# Altium PCB 11BRANMB10H2_20170927.pcbdoc (part 8 of 11)
Units mm, origin at the board's own origin, x right, y up, seen from the top; angles counter-clockwise.
Board outline 91.65 x 48.25 mm, 6 copper layers (TOP, GND1, Singal, POWER, GND2, BOTTOM), stack 0.8 mm thick; 370 components, 289 nets, 1421 pads, 980 vias.
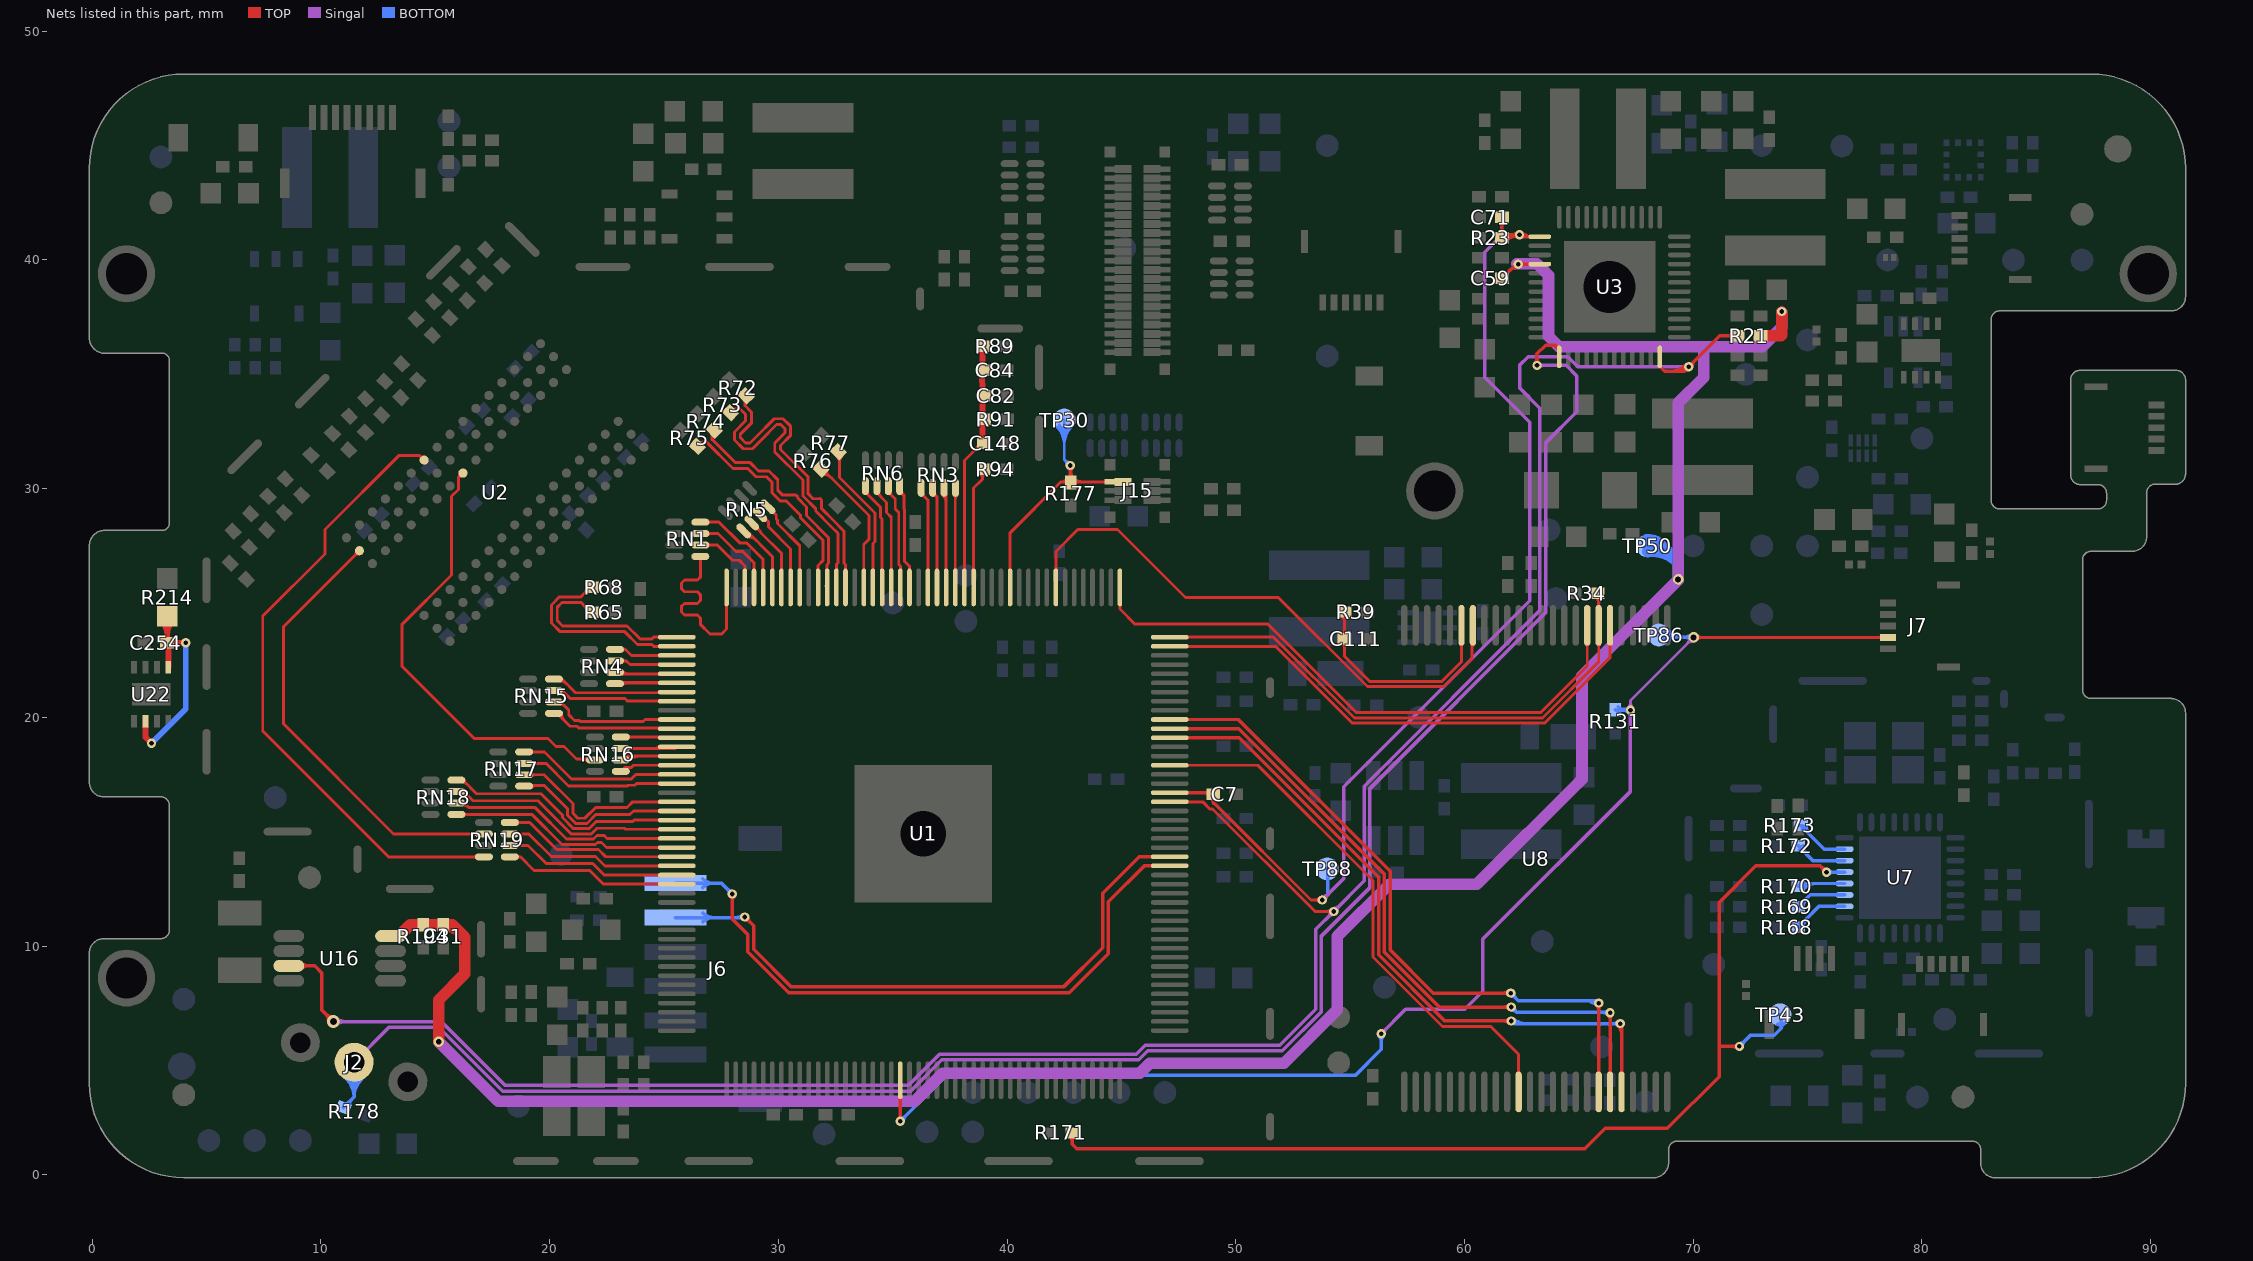
[diagram p12: the nets of this part, all layers, seen from the top]

## Via types
v1: diameter 0.406, hole 0.203, TOP to BOTTOM, tented both sides, 450 vias
v2: diameter 0.457, hole 0.254, TOP to BOTTOM, tented both sides, 256 vias
v3: diameter 0.559, hole 0.305, TOP to BOTTOM, tented both sides, 184 vias
v4: diameter 0.762, hole 0.457, TOP to BOTTOM, tented both sides, 69 vias
v5: diameter 0.61, hole 0.33, TOP to BOTTOM, tented both sides, 11 vias
v6: diameter 0.5, hole 0.2, TOP to BOTTOM, 9 vias
v7: diameter 0.508, hole 0.254, TOP to BOTTOM, tented both sides, 1 vias

## Nets (pads, with @x,y where several pads share a name; then routed paths per layer and width w, separated by ;. In a path a pad name is that pad's centre, name@x,y a point inside that pad or via, vN(x,y) a via of type N, cw(c..) or ccw(c..) an arc to the next point about the centre after c; other vN are vias at no path point) (continued)
ND5: U1.167 U8.42 | length 34.9
  TOP w0.152: U1.167@47.11,19.908 50.114,19.908 56.754,13.267 56.754,9.831 58.64,7.946 v1(62.025,7.946) ; U8.42@65.867,3.624 v1(65.867,7.508) ; 61.718,7.946 ccw(c61.718,8.253) 61.935,8.036 cw(c61.718,8.253) 61.718,7.946 ; 61.718,7.946 cw(c61.718,7.639) 61.935,7.856 ccw(c61.718,7.639) 61.718,7.946 ; 65.867,4.523 ccw(c66.015,4.523) 65.91,4.419 cw(c66.015,4.523) 65.867,4.523 ; 65.867,4.523 cw(c65.719,4.523) 65.824,4.419 ccw(c65.719,4.523) 65.867,4.523 ; 65.867,7.201 ccw(c65.56,7.201) 65.777,7.418 cw(c65.56,7.201) 65.867,7.201 ; 65.867,7.201 cw(c66.174,7.201) 65.957,7.418 ccw(c66.174,7.201) 65.867,7.201
  BOTTOM w0.152: v1(62.025,7.946) 62.359,7.612 65.763,7.612 v1(65.867,7.508) ; 65.542,7.554 ccw(c65.634,7.713) v1@65.772,7.592 ; 62.242,7.729 ccw(c62.025,7.512) 62.025,7.819 cw(c62.025,7.512) 62.242,7.729 ; 62.242,7.729 cw(c62.459,7.946) 62.152,7.946 ccw(c62.459,7.946) 62.242,7.729 ; 65.309,7.612 cw(c65.309,6.95) 65.777,7.418 ccw(c65.309,6.95) 65.309,7.612 ; 65.677,7.612 cw(c65.677,7.318) 65.885,7.526 ccw(c65.677,7.318) 65.677,7.612
ND6: U1.166 U8.43 | length 34.2
  TOP w0.152: U1.166@47.11,19.508 50.133,19.508 56.5,13.14 56.5,9.726 58.89,7.336 v1(62.05,7.336) ; U8.43@66.367,3.624 66.367,7.05 66.352,7.066 66.336,7.081 v1(66.367,7.081) ; 61.744,7.336 ccw(c61.744,7.643) 61.961,7.426 cw(c61.744,7.643) 61.744,7.336 ; 61.744,7.336 cw(c61.744,7.03) 61.961,7.247 ccw(c61.744,7.03) 61.744,7.336 ; 66.367,4.523 ccw(c66.515,4.523) 66.41,4.419 cw(c66.515,4.523) 66.367,4.523 ; 66.367,4.523 cw(c66.219,4.523) 66.324,4.419 ccw(c66.219,4.523) 66.367,4.523 ; 66.367,6.774 ccw(c66.06,6.774) 66.277,6.991 cw(c66.06,6.774) 66.367,6.774 ; 66.367,6.774 cw(c66.674,6.774) 66.457,6.991 ccw(c66.674,6.774) 66.367,6.774
  BOTTOM w0.152: v1(62.05,7.336) 62.275,7.112 66.336,7.112 v1(66.367,7.081) ; 62.267,7.12 ccw(c62.05,6.903) 62.05,7.209 cw(c62.05,6.903) 62.267,7.12 ; 62.267,7.12 cw(c62.484,7.336) 62.177,7.336 ccw(c62.484,7.336) 62.267,7.12 ; 65.986,7.112 cw(c65.986,6.7) 66.277,6.991 ccw(c65.986,6.7) 65.986,7.112 ; 66.135,7.112 ccw(c66.135,7.313) 66.277,7.171 cw(c66.135,7.313) 66.135,7.112
ND7: U1.165 U8.44 | length 35
  TOP w0.152: U1.165@47.11,19.108 50.152,19.108 56.246,13.013 56.246,9.621 59.14,6.727 v1(62.05,6.727) ; v1(66.814,6.612) 66.867,6.558 U8.44@66.867,3.624 U8.44@66.851,3.64 ; 61.744,6.727 ccw(c61.744,7.033) 61.961,6.817 cw(c61.744,7.033) 61.744,6.727 ; 61.744,6.727 cw(c61.744,6.42) 61.961,6.637 ccw(c61.744,6.42) 61.744,6.727 ; 66.867,4.523 ccw(c67.015,4.523) 66.91,4.419 cw(c67.015,4.523) 66.867,4.523 ; 66.867,4.523 cw(c66.719,4.523) 66.824,4.419 ccw(c66.719,4.523) 66.867,4.523 ; v1@66.724,6.522 cw(c66.378,6.176) 66.867,6.176 ccw(c66.378,6.176) v1@66.724,6.522
  BOTTOM w0.152: v1(62.05,6.727) 62.165,6.612 v1(66.814,6.612) ; v1@62.141,6.637 cw(c62.288,6.491) 62.392,6.671 ; 66.507,6.612 ccw(c66.507,6.918) 66.724,6.702 cw(c66.507,6.918) 66.507,6.612 ; 66.507,6.612 cw(c66.507,6.305) 66.724,6.522 ccw(c66.507,6.305) 66.507,6.612 ; v1@62.032,6.709 ccw(c62.267,6.943) 62.267,6.612 cw(c62.267,6.943) v1@62.032,6.709 ; v1@62.14,6.817 ccw(c62.635,7.311) 62.635,6.612 cw(c62.635,7.311) v1@62.14,6.817
NDQS: U1.162 U8.35 | length 24.7
  TOP w0.127: U1.162@47.11,17.908 50.961,17.908 56.005,12.864 56.005,9.521 59.04,6.486 61.149,6.486 62.367,5.267 U8.35@62.367,3.624 ; 62.367,4.554 ccw(c62.546,4.554) 62.419,4.428 cw(c62.546,4.554) 62.367,4.554 ; 62.367,4.554 cw(c62.188,4.554) 62.315,4.428 ccw(c62.188,4.554) 62.367,4.554
NMI-N: R21.1 U1.158 U3.48 U16.3 | length 118.5
  TOP w0.127: U1.158@47.11,16.308 48.556,16.308 48.865,15.999 48.986,15.999 53.471,11.514 v1(54.278,11.514) ; 53.941,11.514 ccw(c53.941,11.851) 54.179,11.613 cw(c53.941,11.851) 53.941,11.514 ; 53.941,11.514 cw(c53.941,11.177) 54.179,11.415 ccw(c53.941,11.177) 53.941,11.514
  TOP w0.152: U16.3@8.594,9.135 9.724,9.135 10.045,8.814 10.045,7.195 v3(10.539,6.701) ; U3.48@68.543,35.769 68.543,35.349 68.756,35.136 69.616,35.136 ; 69.346,35.205 cw(c69.563,34.83) v1@69.755,35.218 ; 69.546,35.15 ccw(c69.401,35.4) v1@69.686,35.352 ; 69.593,35.347 cw(c69.715,35.136) v1@69.823,35.354 ; 69.609,35.186 cw(c69.721,34.993) v1@69.779,35.209 ; R21.1@71.939,36.683 71.163,36.683 v1(69.811,35.331) 69.616,35.136 ; 9.452,9.135 ccw(c9.452,8.692) 9.139,9.005 cw(c9.452,8.692) 9.452,9.135 ; 9.452,9.135 cw(c9.452,9.579) 9.139,9.265 ccw(c9.452,9.579) 9.452,9.135 ; 10.192,7.048 ccw(c10.539,7.395) 10.539,6.905 cw(c10.539,7.395) 10.192,7.048 ; 10.192,7.048 cw(c9.845,6.701) 10.336,6.701 ccw(c9.845,6.701) 10.192,7.048 ; 69.616,35.136 ccw(c69.448,35.304) 69.685,35.322 cw(c69.448,35.304) 69.616,35.136 ; 69.616,35.136 cw(c69.784,34.968) 69.802,35.205 ccw(c69.784,34.968) 69.616,35.136 ; 70.028,35.548 ccw(c70.245,35.331) 69.938,35.331 cw(c70.245,35.331) 70.028,35.548 ; 70.028,35.548 cw(c69.811,35.765) 69.811,35.458 ccw(c69.811,35.765) 70.028,35.548 ; 71.47,36.683 ccw(c71.47,37.103) 71.766,36.806 cw(c71.47,37.103) 71.47,36.683 ; 71.47,36.683 cw(c71.47,36.263) 71.766,36.56 ccw(c71.47,36.263) 71.47,36.683 ; 69.033,35.136 ccw(c69.033,36.11) 69.722,35.421 cw(c69.033,36.11) 69.033,35.136 ; 69.401,35.136 ccw(c69.401,35.742) 69.829,35.313 cw(c69.401,35.742) 69.401,35.136
  Singal w0.152: v3(10.539,6.701) 15.259,6.701 18.053,3.907 35.674,3.907 37.046,5.279 45.656,5.279 46.049,5.672 51.917,5.672 53.492,7.247 53.492,10.728 v1(54.278,11.514) 55.613,12.849 55.613,16.997 63.29,24.674 63.29,33.521 62.406,34.406 62.406,35.39 62.787,35.771 64.52,35.771 64.96,35.331 v1(69.811,35.331) ; 11.03,6.701 ccw(c11.03,6.211) 10.683,6.558 cw(c11.03,6.211) 11.03,6.701 ; 11.03,6.701 cw(c11.03,7.192) 10.683,6.845 ccw(c11.03,7.192) 11.03,6.701 ; 54.061,11.297 ccw(c53.844,11.514) 54.151,11.514 cw(c53.844,11.514) 54.061,11.297 ; 54.061,11.297 cw(c54.278,11.08) 54.278,11.387 ccw(c54.278,11.08) 54.061,11.297 ; 54.495,11.731 ccw(c54.712,11.514) 54.405,11.514 cw(c54.712,11.514) 54.495,11.731 ; 54.495,11.731 cw(c54.278,11.948) 54.278,11.641 ccw(c54.278,11.948) 54.495,11.731 ; 69.505,35.331 ccw(c69.505,35.638) 69.722,35.421 cw(c69.505,35.638) 69.505,35.331 ; 69.505,35.331 cw(c69.505,35.025) 69.722,35.242 ccw(c69.505,35.025) 69.505,35.331
NRB0-N: R34.2 U1.176 U8.7 | length 26.7
  TOP w0.127: U1.176@47.11,23.508 51.654,23.508 55.185,19.977 63.414,19.977 65.87,22.433 65.87,24.021 U8.7@65.867,24.024 R34.2@65.867,25.349 ; 65.867,24.954 ccw(c66.046,24.954) 65.919,24.828 cw(c66.046,24.954) 65.867,24.954 ; 65.867,24.954 cw(c65.688,24.954) 65.815,24.828 ccw(c65.688,24.954) 65.867,24.954 ; R34.2@65.745,25.289 cw(c65.451,24.995) 65.867,24.995 ccw(c65.451,24.995) R34.2@65.745,25.289 ; U8.7@65.815,23.22 cw(c65.682,23.087) 65.87,23.087 ccw(c65.682,23.087) U8.7@65.815,23.22 ; 65.867,24.947 cw(c66.351,24.947) 66.009,25.289 ccw(c66.351,24.947) 65.867,24.947 ; 65.87,23.101 cw(c66.039,23.101) 65.919,23.22 ccw(c66.039,23.101) 65.87,23.101
NRB1-N: U1.175 U8.6 | length 23.8
  TOP w0.127: U1.175@47.11,23.108 51.731,23.108 55.09,19.748 63.509,19.748 66.367,22.606 U8.6@66.367,24.024 ; 66.367,23.094 ccw(c66.188,23.094) 66.315,23.22 cw(c66.188,23.094) 66.367,23.094 ; 66.367,23.094 cw(c66.546,23.094) 66.419,23.22 ccw(c66.546,23.094) 66.367,23.094
NRE-N: U1.1 U8.8 | length 26.4
  TOP w0.127: U1.1@44.935,25.683 44.935,24.735 45.595,24.075 51.411,24.075 55.28,20.206 63.32,20.206 65.367,22.253 U8.8@65.367,24.024 ; 65.367,23.094 ccw(c65.188,23.094) 65.315,23.22 cw(c65.188,23.094) 65.367,23.094 ; 65.367,23.094 cw(c65.546,23.094) 65.419,23.22 ccw(c65.546,23.094) 65.367,23.094
NWE-N: U1.8 U8.18 | length 25.4
  TOP w0.127: U1.8@42.135,25.683 42.135,27.253 43.095,28.213 44.828,28.213 47.798,25.243 51.859,25.243 55.753,21.349 59.108,21.349 60.337,22.578 60.337,23.994 U8.18@60.367,24.024 ; 60.337,23.022 cw(c60.618,23.022) 60.419,23.22 ccw(c60.618,23.022) 60.337,23.022
NWP-N: C111.2 R39.2 U8.19 | length 14.3
  TOP w0.127: R39.2@54.753,24.608 C111.2@54.753,23.44 54.753,22.673 55.848,21.577 59.013,21.577 59.867,22.431 U8.19@59.867,24.024 ; 54.753,22.99 ccw(c54.302,22.99) 54.621,23.308 cw(c54.302,22.99) 54.753,22.99 ; 54.753,22.99 cw(c55.203,22.99) 54.884,23.308 ccw(c55.203,22.99) 54.753,22.99 ; 54.753,23.89 ccw(c55.203,23.89) 54.884,23.572 cw(c55.203,23.89) 54.753,23.89 ; 54.753,23.89 cw(c54.302,23.89) 54.621,23.572 ccw(c54.302,23.89) 54.753,23.89 ; 54.753,24.158 ccw(c54.302,24.158) 54.621,24.476 cw(c54.302,24.158) 54.753,24.158 ; 54.753,24.158 cw(c55.203,24.158) 54.884,24.476 ccw(c55.203,24.158) 54.753,24.158 ; 59.867,23.094 ccw(c59.688,23.094) 59.815,23.22 cw(c59.688,23.094) 59.867,23.094 ; 59.867,23.094 cw(c60.046,23.094) 59.919,23.22 ccw(c60.046,23.094) 59.867,23.094
O_RESET: J7.2 R131.2 TP86.1 U1.108 | length 81.8
  TOP w0.127: v2@70.045,23.5 J7.2@78.52,23.5 ; 78.112,23.5 ccw(c78.112,23.709) 78.259,23.561 cw(c78.112,23.709) 78.112,23.5 ; 78.112,23.5 cw(c78.112,23.291) 78.259,23.439 ccw(c78.112,23.291) 78.112,23.5 ; v2@70.131,23.378 cw(c70.426,23.084) 70.426,23.5 ccw(c70.426,23.084) v2@70.131,23.378 ; v2@70.131,23.612 ccw(c70.401,23.881) 70.401,23.5 cw(c70.401,23.881) v2@70.131,23.612
  TOP w0.152: v1@35.335,2.338 U1.108@35.335,4.133 ; v1@35.242,2.426 ccw(c35.016,2.652) 35.335,2.652 cw(c35.016,2.652) v1@35.242,2.426 ; 35.335,2.634 ccw(c35.629,2.634) 35.421,2.426 cw(c35.629,2.634) 35.335,2.634
  Singal w0.127: v1(67.257,20.316) 67.257,20.738 v2(70.015,23.495) ; 67.257,20.653 ccw(c67.595,20.653) 67.356,20.415 cw(c67.595,20.653) 67.257,20.653 ; 67.257,20.653 cw(c66.92,20.653) 67.159,20.415 ccw(c66.92,20.653) 67.257,20.653 ; 69.733,23.213 ccw(c69.451,23.495) 69.849,23.495 cw(c69.451,23.495) 69.733,23.213 ; 69.733,23.213 cw(c70.015,22.931) 70.015,23.33 ccw(c70.015,22.931) 69.733,23.213
  Singal w0.152: v1(56.361,6.168) 56.361,6.173 57.422,7.235 60.015,7.235 60.806,8.026 60.806,10.308 67.257,16.76 v1(67.257,20.316) ; 67.257,20.009 ccw(c66.951,20.009) 67.168,20.226 cw(c66.951,20.009) 67.257,20.009 ; 67.257,20.009 cw(c67.564,20.009) 67.347,20.226 ccw(c67.564,20.009) 67.257,20.009 ; v1@56.361,6.295 ccw(c56.361,6.589) 56.568,6.381 cw(c56.361,6.589) v1@56.361,6.295 ; v1@56.488,6.168 cw(c56.807,6.168) 56.581,6.394 ccw(c56.807,6.168) v1@56.488,6.168
  BOTTOM w0.127: TP86.1@68.5,23.677 68.539,23.639 68.682,23.495 v2(70.015,23.495) ; 69.545,23.533 ccw(c69.616,24.027) v2@69.916,23.627 ; 69.545,23.533 ccw(c69.616,24.027) v2@69.916,23.627 ; 69.545,23.533 ccw(c69.616,24.027) v2@69.916,23.627 ; 69.616,23.495 ccw(c69.616,23.894) 69.898,23.612 cw(c69.616,23.894) 69.616,23.495 ; 69.616,23.495 cw(c69.616,23.096) 69.898,23.378 ccw(c69.616,23.096) 69.616,23.495 ; 69.686,23.512 cw(c69.644,23.218) v2@69.882,23.396 ; 69.686,23.512 cw(c69.644,23.218) v2@69.882,23.396 ; 69.686,23.512 cw(c69.644,23.218) v2@69.882,23.396 ; TP86.1@68.629,23.729 ccw(c69.194,24.294) 69.194,23.495 cw(c69.194,24.294) TP86.1@68.629,23.729 ; TP86.1@68.719,23.381 cw(c68.994,23.106) 68.994,23.495 ccw(c68.994,23.106) TP86.1@68.719,23.381 ; TP86.1@68.719,23.819 ccw(c69.501,24.601) 69.501,23.495 cw(c69.501,24.601) TP86.1@68.719,23.819 ; TP86.1@68.809,23.291 cw(c69.3,22.8) 69.3,23.495 ccw(c69.3,22.8) TP86.1@68.809,23.291 ; TP86.1@68.809,23.909 ccw(c69.807,24.907) 69.807,23.495 cw(c69.807,24.907) TP86.1@68.809,23.909
  BOTTOM w0.152: v1(35.331,2.337) 37.338,4.343 55.218,4.343 56.361,5.486 v1(56.361,6.168) ; v1@35.331,2.464 ccw(c35.331,2.77) 35.548,2.553 ccw(c35.765,2.337) v1@35.458,2.337 ; R131.2@66.597,20.333 66.614,20.316 v1(67.257,20.316) ; 56.361,5.861 ccw(c56.054,5.861) 56.271,6.078 cw(c56.054,5.861) 56.361,5.861 ; 56.361,5.861 cw(c56.667,5.861) 56.451,6.078 ccw(c56.667,5.861) 56.361,5.861 ; 66.905,20.357 ccw(c66.985,20.654) v1@67.178,20.415 ; 66.905,20.357 ccw(c66.985,20.654) v1@67.178,20.415 ; 66.905,20.357 ccw(c66.985,20.654) v1@67.178,20.415 ; 66.951,20.316 ccw(c66.951,20.622) 67.168,20.406 cw(c66.951,20.622) 66.951,20.316 ; 66.951,20.316 cw(c66.951,20.009) 67.168,20.226 ccw(c66.951,20.009) 66.951,20.316 ; R131.2@66.72,20.21 cw(c66.975,19.956) 66.975,20.316 ccw(c66.975,19.956) R131.2@66.72,20.21 ; R131.2@66.72,20.456 ccw(c67.059,20.795) 67.059,20.316 cw(c67.059,20.795) R131.2@66.72,20.456
ODT: RN19.4 U2.K1 | length 28.4
  TOP w0.127: U2.K1@14.378,31.266 ccw(c14.169,31.294) 14.318,31.443 ; U2.K1@14.495,31.383 cw(c14.467,31.593) 14.318,31.443 ; U2.K1@14.513,31.248 14.318,31.443 ; RN19.4@16.823,13.841 ccw(c16.671,13.689) 16.671,13.904 ccw(c16.671,14.118) RN19.4@16.823,13.967 ; RN19.4@17.127,13.904 12.955,13.904 7.455,19.404 7.455,24.433 10.173,27.151 10.173,28.217 13.399,31.443 14.318,31.443
P_RX_UART1: J6.5 U1.152 | length 31.3
  TOP w0.152: v1(28.537,11.273) 28.922,10.888 28.922,9.855 30.565,8.212 42.467,8.212 44.178,9.923 44.178,12.308 45.778,13.908 U1.152@47.11,13.908 ; 28.754,11.056 ccw(c28.537,10.84) 28.537,11.146 cw(c28.537,10.84) 28.754,11.056 ; 28.754,11.056 cw(c28.97,11.273) 28.664,11.273 ccw(c28.97,11.273) 28.754,11.056
  BOTTOM w0.152: J6.5@25.5,11.25 28.513,11.25 v1(28.537,11.273) ; 27.161,11.25 ccw(c27.161,10.589) 26.694,11.056 cw(c27.161,10.589) 27.161,11.25 ; 27.161,11.25 cw(c27.161,11.911) 26.694,11.443 ccw(c27.161,11.911) 27.161,11.25 ; 28.174,11.25 ccw(c28.174,11.636) 28.447,11.363 cw(c28.174,11.636) 28.174,11.25 ; 28.286,11.25 cw(c28.286,11.023) 28.447,11.183 ccw(c28.286,11.023) 28.286,11.25
P_TX_UART1: J6.6 U1.151 | length 32.3
  TOP w0.152: v1(27.989,12.276) 27.989,11.186 28.668,10.507 28.668,9.75 30.459,7.958 42.721,7.958 44.432,9.669 44.432,11.933 46.007,13.508 U1.151@47.11,13.508 ; 27.989,11.969 ccw(c27.682,11.969) 27.899,12.186 cw(c27.682,11.969) 27.989,11.969 ; 27.989,11.969 cw(c28.296,11.969) 28.079,12.186 ccw(c28.296,11.969) 27.989,11.969
  BOTTOM w0.152: J6.6@25.5,12.75 27.515,12.75 v1(27.989,12.276) ; 27.161,12.75 ccw(c27.161,12.089) 26.694,12.556 cw(c27.161,12.089) 27.161,12.75 ; 27.161,12.75 cw(c27.161,13.411) 26.694,12.943 ccw(c27.161,13.411) 27.161,12.75 ; 27.772,12.493 ccw(c27.989,12.71) 27.989,12.403 cw(c27.989,12.71) 27.772,12.493 ; 27.772,12.493 cw(c27.555,12.276) 27.862,12.276 ccw(c27.555,12.276) 27.772,12.493
RAS: RN16.3 U2.J3 | length 20.4
  TOP w0.127: U2.J3@16.075,30.667 cw(c15.851,30.641) 16.01,30.482 ; U2.J3@16.195,30.546 ccw(c16.17,30.323) 16.01,30.482 ; U2.J3@16.21,30.682 16.01,30.482 ; 21.419,18.184 cw(c21.419,17.821) RN16.3@21.676,18.078 ; RN16.3@21.981,18.141 21.937,18.184 21.168,18.184 20.628,18.724 20.279,18.724 19.929,19.073 16.705,19.073 13.551,22.227 13.551,24.073 15.71,26.232 15.71,29.665 16.01,29.965 16.01,30.482
RESET-N: C7.2 C71.2 R23.1 TP88.1 U1.159 U3.25 | length 62.5
  TOP w0.127: C7.2@49.017,16.63 49.017,16.228 ; C7.2@49.021,16.634 48.947,16.708 48.603,16.708 ; v1(53.784,12.014) 53.294,12.014 49.08,16.228 49.017,16.228 ; 48.603,16.708 cw(c48.603,16.511) 48.79,16.572 ccw(c48.603,16.511) 48.603,16.708 ; 49.017,16.228 ccw(c48.676,16.228) 48.897,16.488 cw(c48.676,16.228) 49.017,16.228 ; 49.017,16.228 cw(c49.358,16.228) 49.138,16.488 ccw(c49.358,16.228) 49.017,16.228 ; 53.447,12.014 ccw(c53.447,12.351) 53.685,12.113 cw(c53.447,12.351) 53.447,12.014 ; 53.447,12.014 cw(c53.447,11.677) 53.685,11.915 ccw(c53.447,11.677) 53.447,12.014 ; 48.704,16.708 ccw(c48.704,16.894) 48.835,16.762 cw(c48.704,16.894) 48.704,16.708
  TOP w0.152: U1.159@47.11,16.708 48.603,16.708 ; C71.2@61.636,41.867 R23.1@61.636,40.978 61.763,41.105 v1(62.406,41.105) ; R23.1@61.703,40.991 ccw(c61.857,41.108) 61.955,40.941 ; R23.1@61.825,41.083 ccw(c61.995,41.212) 62.103,41.027 ; v1@62.51,41.032 cw(c62.63,40.948) 62.704,41.075 ; U3.25@63.293,41.019 62.492,41.019 v1(62.406,41.105) ; 61.636,41.398 ccw(c62.056,41.398) 61.759,41.101 cw(c62.056,41.398) 61.636,41.398 ; 61.636,41.398 cw(c61.216,41.398) 61.513,41.101 ccw(c61.216,41.398) 61.636,41.398 ; 62.099,41.105 ccw(c62.099,41.412) 62.316,41.195 cw(c62.099,41.412) 62.099,41.105 ; 62.099,41.105 cw(c62.099,40.798) 62.316,41.015 ccw(c62.099,40.798) 62.099,41.105 ; 62.11,41.026 ccw(c62.031,41.322) v1@62.296,41.169 ; 62.11,41.026 cw(c62.189,40.729) v1@62.342,40.995 ; 62.11,41.026 ccw(c62.031,41.322) v1@62.296,41.169 ; 62.11,41.026 cw(c62.189,40.729) v1@62.342,40.995 ; 62.11,41.026 ccw(c62.031,41.322) v1@62.296,41.169 ; 62.11,41.026 cw(c62.189,40.729) v1@62.342,40.995 ; v1(62.406,41.105) ccw(c62.406,40.267) 61.81,40.856 cw(c62.406,40.267) v1(62.406,41.105) ; C71.2@61.513,41.744 cw(c61.216,41.447) 61.636,41.447 ccw(c61.216,41.447) C71.2@61.513,41.744 ; 61.636,41.447 cw(c62.056,41.447) 61.759,41.744 ccw(c62.056,41.447) 61.636,41.447 ; R23.1@61.701,40.963 cw(c62.041,40.627) 62.041,41.105 ccw(c62.041,40.627) R23.1@61.701,40.963 ; v1@62.496,41.195 ccw(c62.92,41.619) 62.92,41.019 cw(c62.92,41.619) v1@62.496,41.195
  Singal w0.152: v1(53.784,12.014) 54.724,12.954 54.724,16.967 62.852,25.095 62.852,32.907 60.882,34.877 60.882,40.343 61.644,41.105 v1(62.406,41.105) ; 54.001,12.231 ccw(c54.218,12.014) 53.911,12.014 cw(c54.218,12.014) 54.001,12.231 ; 54.001,12.231 cw(c53.784,12.448) 53.784,12.141 ccw(c53.784,12.448) 54.001,12.231 ; 62.099,41.105 ccw(c62.099,41.412) 62.316,41.195 cw(c62.099,41.412) 62.099,41.105 ; 62.099,41.105 cw(c62.099,40.798) 62.316,41.015 ccw(c62.099,40.798) 62.099,41.105
  BOTTOM w0.152: v1(53.784,12.014) 54.013,12.243 54.013,13.364 TP88.1@54,13.377 ; 54.001,12.231 ccw(c54.218,12.014) 53.911,12.014 cw(c54.218,12.014) 54.001,12.231 ; 54.001,12.231 cw(c53.784,12.448) 53.784,12.141 ccw(c53.784,12.448) 54.001,12.231
RST: RN19.2 U2.T2 | length 20.6
  TOP w0.127: U2.T2@11.548,27.288 cw(c11.219,27.288) 11.452,27.055 cw(c11.685,26.822) U2.T2@11.685,27.152 ; U2.T2@11.685,27.288 8.37,23.973 8.37,19.708 13.174,14.904 RN19.2@17.127,14.904 ; RN19.2@16.823,14.841 ccw(c16.671,14.689) 16.671,14.904 ccw(c16.671,15.118) RN19.2@16.823,14.967
RTCVDD: C31.2 C59.2 R21.2 R194.2 TP50.1 U3.28 U16.8 | length 121.4
  TOP w0.152: C59.2@61.636,39.2 62.255,39.819 v1(62.357,39.819) U3.28@63.293,39.819 ; 62.189,39.647 ccw(c62.113,39.931) v1@62.38,39.808 ; 62.664,39.819 ccw(c62.664,39.512) 62.447,39.729 cw(c62.664,39.512) 62.664,39.819 ; 62.664,39.819 cw(c62.664,40.126) 62.447,39.909 ccw(c62.664,40.126) 62.664,39.819 ; 61.966,39.53 cw(c62.357,39.139) 62.357,39.692 ccw(c62.357,39.139) 61.966,39.53
  TOP w0.508: U16.8@13.044,10.435 13.394,10.435 13.898,10.939 R194.2@14.465,10.939 C31.2@15.354,10.939 15.743,10.939 16.294,10.389 16.294,8.788 15.151,7.645 v2(15.151,5.817) ; R21.2@72.939,36.683 73.838,36.683 ; 73.875,36.72 v1@73.875,37.719 ; C31.2@15.354,10.893 cw(c15.354,9.843) 16.096,10.586 ccw(c15.354,9.843) C31.2@15.354,10.893
  Singal w0.508: v2(15.151,5.817) 17.746,3.221 35.958,3.221 37.181,4.445 45.795,4.445 46.235,4.885 52.107,4.885 54.444,7.222 54.444,10.427 56.72,12.703 60.543,12.703 65.138,17.297 65.138,21.819 69.345,26.026 69.354,26.035 69.354,33.757 70.46,34.862 70.46,36.17 ; v1@62.279,39.835 62.357,39.835 63.168,39.835 63.676,39.327 63.676,36.66 64.133,36.203 73.02,36.203 73.875,37.059 v1@73.875,37.719
  BOTTOM w0.508: TP50.1@68,27.5 68.623,27.5 69.34,26.783 ; TP50.1@68.2,27.643 ccw(c69.344,28.46) 69.113,27.074 ; v2(69.34,26.031) 69.34,26.783 ; 68.594,27.5 ccw(c68.594,26.906) 68.174,27.326 cw(c68.594,26.906) 68.594,27.5 ; 68.594,27.5 cw(c68.594,28.094) 68.174,27.674 ccw(c68.594,28.094) 68.594,27.5 ; 69.34,26.783 ccw(c68.182,25.625) 68.024,27.255 cw(c68.182,25.625) 69.34,26.783 ; TP50.1@67.975,27.761 cw(c68.047,27.012) 68.579,27.544 ccw(c68.047,27.012) TP50.1@67.975,27.761